# Altium PCB dashcam_cpu_v2.0.PcbDoc (part 1 of 4)
Units mil, origin at the board's own origin, x right, y up, seen from the top; angles counter-clockwise.
Board outline 2952.76 x 1476.38 mil, 4 copper layers (Top Layer, Internal L1, Internal L2, Bottom Layer), stack 60.718 mil thick; 574 components, 452 nets, 2535 pads, 0 vias.
Unrouted connection lines stored in the file: 1684.
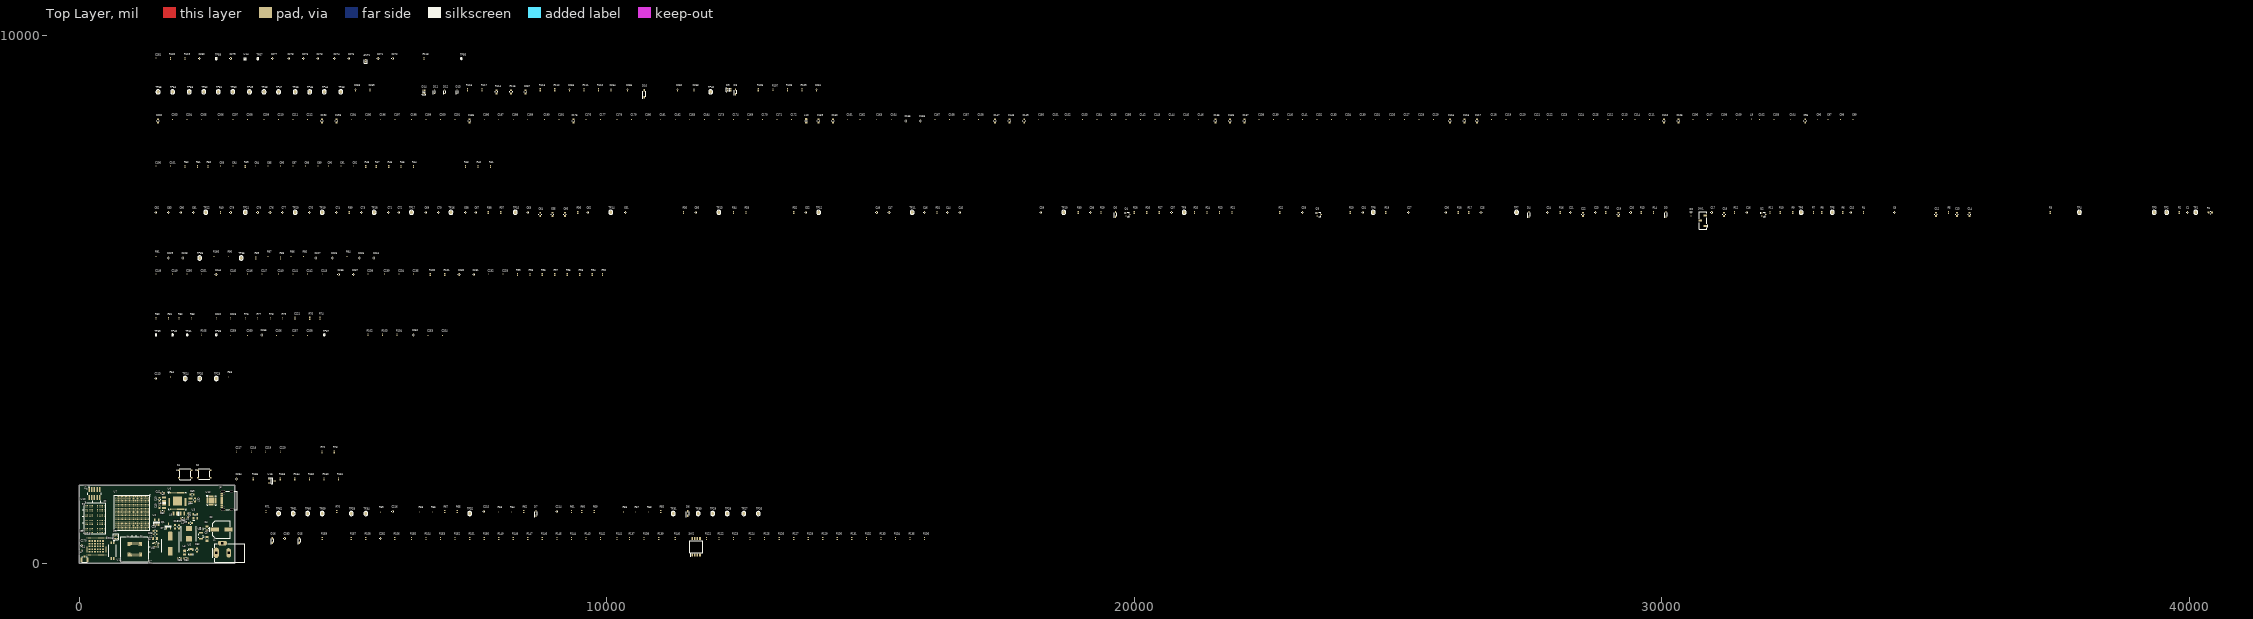
[diagram p0: Top Layer view]
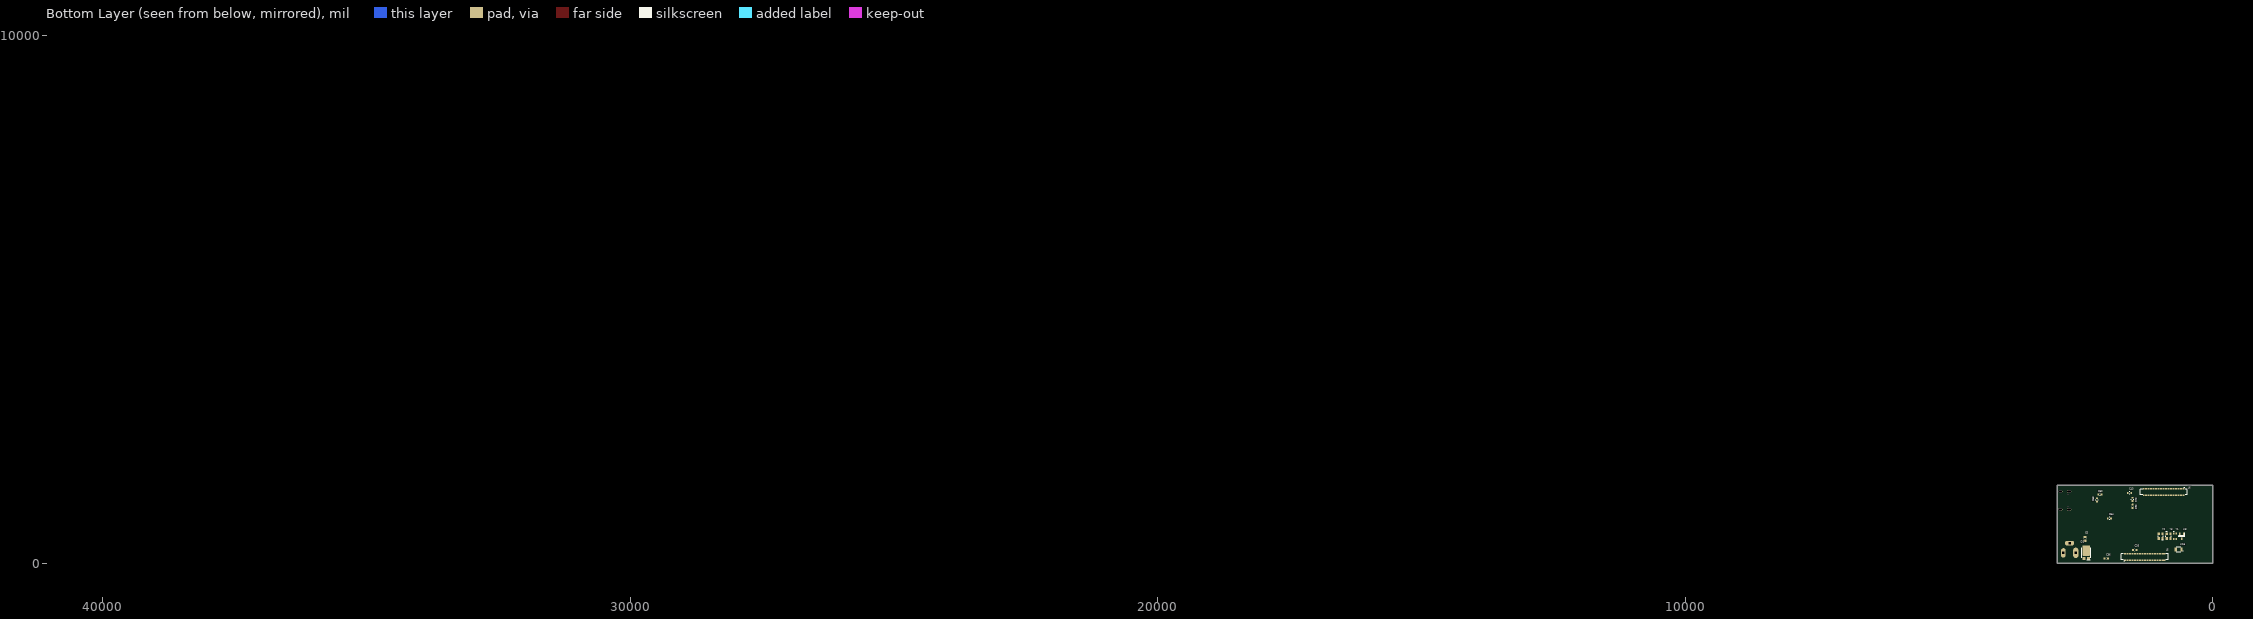
[diagram p1: Bottom Layer view, seen from below]

## Layer stack, top to bottom
Top Solder: solder mask 1.378, SM-001, Dk 4
Top Layer: signal copper 1.378
Dielectric 2: prepreg 2.8, PP-006, Dk 4.1
Internal L1: signal copper 1.378
Dielectric 1: core 49.6063, FR4, Dk 4.6
Internal L2: signal copper 1.378
Dielectric 3: prepreg 2.8, PP-006, Dk 4.1
Bottom Layer: signal copper 1.378
Bottom Solder: solder mask 1.378, SM-001, Dk 4

## Board outline
0,0 2952.76,0 2952.76,1476.38 0,1476.38

## Design rules (kind name [scope] priority, off if disabled: settings)
AcuteAngle [All] p1: minimum=3.00000000000000E+0001 checktracksonly=TRUE
BoardOutlineClearance [All] p1: gap=10 ignorepadtopadclearanceinfootprint=FALSE
Clearance Clearance_Z90 [InNetClass('Z90') vs InNetClass('Z90')] p1: gap=9.84 ignorepadtopadclearanceinfootprint=FALSE except(3.94: Arc-Arc Arc-Track Arc-SMDPad Arc-THPad Track-Track Track-SMDPad Track-THPad SMDPad-SMDPad)
Clearance Clearance_Q4 [InComponent('Q4')] p2: gap=3.94 ignorepadtopadclearanceinfootprint=FALSE
Clearance Clearance_U7 [InComponent('U7')] p3: gap=3.94 ignorepadtopadclearanceinfootprint=FALSE
Clearance Clearance_U4 [InComponent('U4')] p4: gap=3.94 ignorepadtopadclearanceinfootprint=FALSE
Clearance Clearance_U2 [InComponent('U2')] p5: gap=3.94 ignorepadtopadclearanceinfootprint=FALSE
Clearance Clearance_J1 [InComponent('J1')] p6: gap=3.94 ignorepadtopadclearanceinfootprint=FALSE
Clearance [All] p7: gap=4 ignorepadtopadclearanceinfootprint=FALSE
ComponentClearance [All] p1: gap=10 collisioncheckmode=3 verticalgap=10 showdistances=FALSE checkcomponentboundary=TRUE
DiffPairsRouting [InDifferentialPairClass('Z90')] p1: maxlimit=5 minlimit=5 mostfreqgap=5 toplayer_minwidth=5 toplayer_maxwidth=5 toplayer_prefwidth=5 midlayer1_minwidth=3.15 midlayer1_maxwidth=3.15 midlayer1_prefwidth=3.15 midlayer2_minwidth=3.15 midlayer2_maxwidth=3.15 midlayer2_prefwidth=3.15 bottomlayer_minwidth=5 bottomlayer_maxwidth=5 bottomlayer_prefwidth=5 impedanceprofiledriven=TRUE impedanceprofileid={69C824A2-F5A8-4112-8FE3-B2C60D175B77} impedanceprofilevalue=90.000000 maxuncoupledlength=500
FabricationTestpoint [All] p1: side=3 testpointundercomponent=TRUE minsize=39.37 maxsize=118.11 preferedsize=39.37 minholesize=0 maxholesize=39.37 preferedholesize=11.81 testpointgrid=1 allowsidetop=TRUE allowsidebottom=TRUE usegrid=TRUE gridtolerance=0.01
HoleSize [All] p1: absolutevalues=TRUE maxlimit=200 minlimit=6 maxpercent=80.000 minpercent=20.000
MatchedLengths MatchedLengths_USB [InDifferentialPairClass('Z90')] p1: tolerance=3.94 checknetsindiffpair=TRUE checkdiffpairvsdiffpair=FALSE checkxsignals=FALSE checkothers=FALSE
MinimumAnnularRing [All] p1: minimumring=3.94
MinimumSolderMaskSliver [All] p1: minsoldermaskwidth=1.97
NetAntennae [InNet('AC1')and InNet('AC2') and InNet('AC1_A')and InNet('NetBR1_1')and InNet('NetBR1_2')] p1: netantennaetolerance=3149.61
PolygonConnect PolygonConnect_11 [All vs IsNamedPolygon('GND_BOT_PLANE')] p1: connectstyle=Direct reliefconductorwidth=10 reliefentries=4 polygonreliefangle="90 Angle" airgapwidth=10
PolygonConnect PolygonConnect_10 [All vs IsNamedPolygon('SW')] p2: connectstyle=Direct reliefconductorwidth=10 reliefentries=4 polygonreliefangle="90 Angle" airgapwidth=10
PolygonConnect PolygonConnect_9 [All vs IsNamedPolygon('3V3_L01_P019') Or IsNamedPolygon('3V3_L01_P020') Or IsNamedPolygon('5V_L01_P000') Or IsNamedPolygon('5V_L01_P018') Or IsNamedPolygon('NETC35_2_L01_P013') Or IsNamedPolygon('NETFB1_1_L01_P001') Or IsNamedPolygon('NETFB2_1_L01_P002') Or IsNamedPolygon('NETQ6_1_L01_P014') Or IsNamedPolygon('VBAT_L01_P021') Or IsNamedPolygon('VBAT_L01_P025') Or IsNamedPolygon('VBUS_A_L01_P024') Or IsNamedPolygon('VBUS_L01_P022') Or IsNamedPolygon('VBUS_L01_P023') Or IsNamedPolygon('VD+_L01_P003') Or IsNamedPolygon('VD-_L01_P004') Or IsNamedPolygon('VSYS_L01_P015') Or IsNamedPolygon('VSYS_L01_P016') Or IsNamedPolygon('VSYS_L01_P017')] p3: connectstyle=Direct reliefconductorwidth=10 reliefentries=4 polygonreliefangle="90 Angle" airgapwidth=10
PolygonConnect PolygonConnect_8 [All vs IsNamedPolygon('5V_L01_P000') Or IsNamedPolygon('NETFB1_1_L01_P001') Or IsNamedPolygon('NETFB2_1_L01_P002') Or IsNamedPolygon('VD+_L01_P003') Or IsNamedPolygon('VD-_L01_P004')] p4: connectstyle=Direct reliefconductorwidth=10 reliefentries=4 polygonreliefangle="90 Angle" airgapwidth=10
PolygonConnect PolygonConnect_7 [All vs IsNamedPolygon('NETFB1_1_L01_P001') Or IsNamedPolygon('NETFB2_1_L01_P002')] p5: connectstyle=Direct reliefconductorwidth=10 reliefentries=4 polygonreliefangle="90 Angle" airgapwidth=10
PolygonConnect PolygonConnect_6 [All vs IsNamedPolygon('5V_L01_P000')] p6: connectstyle=Direct reliefconductorwidth=10 reliefentries=4 polygonreliefangle="90 Angle" airgapwidth=10
PolygonConnect PolygonConnect_5 [All vs IsNamedPolygon('5V_L01_P000')] p7: connectstyle=Relief reliefconductorwidth=10 reliefentries=4 polygonreliefangle="90 Angle" airgapwidth=10
PolygonConnect PolygonConnect_4 [All vs IsNamedPolygon('AC1_A_L01_P002') Or IsNamedPolygon('AC1_L01_P000') Or IsNamedPolygon('AC2_L01_P001') Or IsNamedPolygon('GND_L01_P006') Or IsNamedPolygon('GND_AMP_TOP') Or IsNamedPolygon('NETBR1_1_L01_P004') Or IsNamedPolygon('NETBR1_2_L01_P010') Or IsNamedPolygon('VIN_L01_P005') Or IsNamedPolygon('GND_L02_P007') Or IsNamedPolygon('GND_MIC_L1')] p8: connectstyle=Direct reliefconductorwidth=10 reliefentries=4 polygonreliefangle="90 Angle" airgapwidth=10
PolygonConnect PolygonConnect_3 [All vs IsNamedPolygon('3V3_L01_P010') Or IsNamedPolygon('5V_L01_P013') Or IsNamedPolygon('GND_L01_P011') Or IsNamedPolygon('NETD1_2_L01_P004') Or IsNamedPolygon('VIN_L01_P007') Or IsNamedPolygon('VUSB_FIL_L01_P003') Or IsNamedPolygon('VUSB_L01_P000') Or IsNamedPolygon('GND_L02_P012') Or IsNamedPolygon('VUSB_L02_P001')] p9: thpad.connectstyle=Relief thpad.reliefconductorwidth=10 thpad.reliefentries=4 thpad.polygonreliefangle="90 Angle" thpad.airgapwidth=10 smdpad.connectstyle=Direct smdpad.reliefconductorwidth=10 smdpad.reliefentries=4 smdpad.polygonreliefangle="90 Angle" smdpad.airgapwidth=10 via.connectstyle=Relief via.reliefconductorwidth=10 via.reliefentries=4 via.polygonreliefangle="90 Angle" via.airgapwidth=10
PolygonConnect PolygonConnect_2 [All vs IsNamedPolygon('3V3_L01_P010') Or IsNamedPolygon('5V_L01_P009') Or IsNamedPolygon('GND_L01_P011') Or IsNamedPolygon('NETD1_2_L01_P004') Or IsNamedPolygon('VIN_L01_P007') Or IsNamedPolygon('VUSB_FIL_L01_P003') Or IsNamedPolygon('VUSB_L01_P000') Or IsNamedPolygon('GND_L02_P012') Or IsNamedPolygon('VUSB_L02_P001')] p10: thpad.connectstyle=Relief thpad.reliefconductorwidth=10 thpad.reliefentries=4 thpad.polygonreliefangle="90 Angle" thpad.airgapwidth=10 smdpad.connectstyle=Direct smdpad.reliefconductorwidth=10 smdpad.reliefentries=4 smdpad.polygonreliefangle="90 Angle" smdpad.airgapwidth=10 via.connectstyle=Relief via.reliefconductorwidth=10 via.reliefentries=4 via.polygonreliefangle="90 Angle" via.airgapwidth=10
PolygonConnect PolygonConnect_1 [All vs IsNamedPolygon('3V3_L01_P010') Or IsNamedPolygon('5V_L01_P009') Or IsNamedPolygon('GND_L01_P011') Or IsNamedPolygon('NETD1_2_L01_P004') Or IsNamedPolygon('VIN_L01_P007') Or IsNamedPolygon('VUSB_FIL_L01_P003') Or IsNamedPolygon('VUSB_L01_P000') Or IsNamedPolygon('GND_L02_P012') Or IsNamedPolygon('VUSB_L02_P001')] p11: thpad.connectstyle=Relief thpad.reliefconductorwidth=10 thpad.reliefentries=4 thpad.polygonreliefangle="90 Angle" thpad.airgapwidth=10 smdpad.connectstyle=Direct smdpad.reliefconductorwidth=10 smdpad.reliefentries=4 smdpad.polygonreliefangle="90 Angle" smdpad.airgapwidth=10 via.connectstyle=Relief via.reliefconductorwidth=10 via.reliefentries=4 via.polygonreliefangle="90 Angle" via.airgapwidth=10
PolygonConnect [All] p12: connectstyle=Relief reliefconductorwidth=10 reliefentries=4 polygonreliefangle="90 Angle" airgapwidth=5.91
RoutingVias [All] p1: holewidth=6 width=18 viastyle="Through Hole" minholewidth=6 minwidth=18 maxholewidth=12 maxwidth=24
SMDEntry [All] p1: side=TRUE corner=TRUE anyangle=TRUE
SMDNeckDown [All] p1: percent=1000.000
SMDToCorner [All] p1: distance=59055
SMDToPlane [All] p1: distance=59055
SilkToSilkClearance [All] p1: silktosilkclearance=1.97
SilkToSolderMaskClearance [IsPad] p1: minsilkscreentomaskgap=1.97 clearancetoexposedcopper=TRUE
SolderMaskExpansion [All] p1: expansion=3.94 istentingtop=FALSE
UnConnectedPin [All] p1 off:
Width [All] p1: maxlimit=50 minlimit=4 preferedwidth=4
22 further rules are at their usual default settings.

## Classes and differential pairs
differential pair class Z90: USB_DBG
differential pair class Z85: DRAM_A_DQS0 DRAM_A_DQS1 DRAM_B_DQS0 DRAM_B_DQS1 DRAM_CK_A DRAM_CK_B
differential pair class DIFF100: BB_CON_CAM1_CLK BB_CON_CAM1_D0 BB_CON_CAM1_D1 BB_CON_CAM1_D2 BB_CON_CAM1_D3 BB_CON_CAM2_CLK BB_CON_CAM2_D0 BB_CON_CAM2_D1 BB_CON_CAM2_D2 BB_CON_CAM2_D3 BB_CON_HDMI0_CLK BB_CON_HDMI0_TX0 BB_CON_HDMI0_TX1 BB_CON_HDMI0_TX2 BB_CON_HDMI0_TX3 DSI1_CLK DSI1_D0 DSI1_D1 DSI1_D2 DSI1_D3
differential pair class DIFF90: USB1_D USB1_D1 USB2_C_TX USB2_D2 USB2_RX USB2_TX
differential pair class DIFF85: PCIE1_CLK PCIE1_RX PCIE1_TX PCIE1C_TX_C PCIE2_CLK PCIE2_RX
net class Z90: USB_DBG_N USB_DBG_P
net class Z85: DRAM_A_DQS0_N DRAM_A_DQS0_P DRAM_A_DQS1_N DRAM_A_DQS1_P DRAM_B_DQS0_N DRAM_B_DQS0_P DRAM_B_DQS1_N DRAM_B_DQS1_P DRAM_CK_A_N DRAM_CK_A_P DRAM_CK_B_N DRAM_CK_B_P
net class Z50: DRAM_A_DATA0 DRAM_A_DATA1 DRAM_A_DATA2 DRAM_A_DATA3 DRAM_A_DATA4 DRAM_A_DATA5 DRAM_A_DATA6 DRAM_A_DATA7 DRAM_A_DATA8 DRAM_A_DATA9 DRAM_A_DATA10 DRAM_A_DATA11 DRAM_A_DATA12 DRAM_A_DATA13 DRAM_A_DATA14 DRAM_A_DATA15 DRAM_A_DMI0 DRAM_A_DMI1 DRAM_B_DATA0 DRAM_B_DATA1 DRAM_B_DATA2 DRAM_B_DATA3 DRAM_B_DATA4 DRAM_B_DATA5 DRAM_B_DATA6 DRAM_B_DATA7 DRAM_B_DATA8 DRAM_B_DATA9 DRAM_B_DATA10 DRAM_B_DATA11 DRAM_B_DATA12 DRAM_B_DATA13 DRAM_B_DATA14 DRAM_B_DATA15 DRAM_B_DMI0 DRAM_B_DMI1 DRAM_CA0_A DRAM_CA0_B DRAM_CA1_A DRAM_CA1_B DRAM_CA2_A DRAM_CA2_B DRAM_CA3_A DRAM_CA3_B DRAM_CA4_A DRAM_CA4_B DRAM_CA5_A DRAM_CA5_B DRAM_CKE0_A DRAM_CKE0_B DRAM_CKE1_A DRAM_CKE1_B DRAM_nCS0_A DRAM_nCS0_B DRAM_nCS1_A DRAM_nCS1_B NetANT1_1 NetC270_2 NetFL1_2 RF_5GHZ_WF
net class DRAM_DATA_CTRL_B: DRAM_B_DATA0 DRAM_B_DATA1 DRAM_B_DATA2 DRAM_B_DATA3 DRAM_B_DATA4 DRAM_B_DATA5 DRAM_B_DATA6 DRAM_B_DATA7 DRAM_B_DATA8 DRAM_B_DATA9 DRAM_B_DATA10 DRAM_B_DATA11 DRAM_B_DATA12 DRAM_B_DATA13 DRAM_B_DATA14 DRAM_B_DATA15 DRAM_B_DMI0 DRAM_B_DMI1 DRAM_B_DQS0_N DRAM_B_DQS0_P DRAM_B_DQS1_N DRAM_B_DQS1_P
net class DRAM_DATA_CTRL_A: DRAM_A_DATA0 DRAM_A_DATA1 DRAM_A_DATA2 DRAM_A_DATA3 DRAM_A_DATA4 DRAM_A_DATA5 DRAM_A_DATA6 DRAM_A_DATA7 DRAM_A_DATA8 DRAM_A_DATA9 DRAM_A_DATA10 DRAM_A_DATA11 DRAM_A_DATA12 DRAM_A_DATA13 DRAM_A_DATA14 DRAM_A_DATA15 DRAM_A_DMI0 DRAM_A_DMI1 DRAM_A_DQS0_N DRAM_A_DQS0_P DRAM_A_DQS1_N DRAM_A_DQS1_P
component class U_WIFI: q
component class U_USBDBG: q
component class U_PWR: q
component class U_PMIC: q
component class U_PHY: q
component class U_LPDDR4: q
component class U_IO: q
component class U_eMMC: q
component class U_DRAM: q
component class U_CONNB: q
component class U_CONNA: q
component class U_CFG: q
component class U_BOOT: q
differential pair USB_DBG: +USB_DBG_P -USB_DBG_N
differential pair USB2_TX: +USB2_TX_P -USB2_TX_N
differential pair USB2_RX: +USB2_RX_P -USB2_RX_N
differential pair USB2_D2: +USB2_D2_P -USB2_D2_N
differential pair USB2_C_TX: +USB2_C_TX_P -USB2_C_TX_N
differential pair USB1_D: +USB1_D_P -USB1_D_N
differential pair USB1_D1: +USB1_D1_P -USB1_D1_N
differential pair PCIE2_RX: +PCIE2_RX_P -PCIE2_RX_N
differential pair PCIE2_CLK: +PCIE2_CLK_P -PCIE2_CLK_N
differential pair PCIE1C_TX_C: +PCIE1C_TX_C_P -PCIE1C_TX_C_N
differential pair PCIE1_TX: +PCIE1_TX_P -PCIE1_TX_N
differential pair PCIE1_RX: +PCIE1_RX_P -PCIE1_RX_N
differential pair PCIE1_CLK: +PCIE1_CLK_P -PCIE1_CLK_N
differential pair DSI1_D3: +DSI1_D3_P -DSI1_D3_N
differential pair DSI1_D2: +DSI1_D2_P -DSI1_D2_N
differential pair DSI1_D1: +DSI1_D1_P -DSI1_D1_N
differential pair DSI1_D0: +DSI1_D0_P -DSI1_D0_N
differential pair DSI1_CLK: +DSI1_CLK_P -DSI1_CLK_N
differential pair DRAM_CK_B: +DRAM_CK_B_P -DRAM_CK_B_N
differential pair DRAM_CK_A: +DRAM_CK_A_P -DRAM_CK_A_N
differential pair DRAM_B_DQS1: +DRAM_B_DQS1_P -DRAM_B_DQS1_N
differential pair DRAM_B_DQS0: +DRAM_B_DQS0_P -DRAM_B_DQS0_N
differential pair DRAM_A_DQS1: +DRAM_A_DQS1_P -DRAM_A_DQS1_N
differential pair DRAM_A_DQS0: +DRAM_A_DQS0_P -DRAM_A_DQS0_N
differential pair BB_CON_HDMI0_TX3: +BB_CON_HDMI0_TX3_P -BB_CON_HDMI0_TX3_N
differential pair BB_CON_HDMI0_TX2: +BB_CON_HDMI0_TX2_P -BB_CON_HDMI0_TX2_N
differential pair BB_CON_HDMI0_TX1: +BB_CON_HDMI0_TX1_P -BB_CON_HDMI0_TX1_N
differential pair BB_CON_HDMI0_TX0: +BB_CON_HDMI0_TX0_P -BB_CON_HDMI0_TX0_N
differential pair BB_CON_HDMI0_CLK: +BB_CON_HDMI0_CLK_P -BB_CON_HDMI0_CLK_N
differential pair BB_CON_CAM2_D3: +BB_CON_CAM2_D3_P -BB_CON_CAM2_D3_N
differential pair BB_CON_CAM2_D2: +BB_CON_CAM2_D2_P -BB_CON_CAM2_D2_N
differential pair BB_CON_CAM2_D1: +BB_CON_CAM2_D1_P -BB_CON_CAM2_D1_N
differential pair BB_CON_CAM2_D0: +BB_CON_CAM2_D0_P -BB_CON_CAM2_D0_N
differential pair BB_CON_CAM2_CLK: +BB_CON_CAM2_CLK_P -BB_CON_CAM2_CLK_N
differential pair BB_CON_CAM1_D3: +BB_CON_CAM1_D3_P -BB_CON_CAM1_D3_N
differential pair BB_CON_CAM1_D2: +BB_CON_CAM1_D2_P -BB_CON_CAM1_D2_N
differential pair BB_CON_CAM1_D1: +BB_CON_CAM1_D1_P -BB_CON_CAM1_D1_N
differential pair BB_CON_CAM1_D0: +BB_CON_CAM1_D0_P -BB_CON_CAM1_D0_N
differential pair BB_CON_CAM1_CLK: +BB_CON_CAM1_CLK_P -BB_CON_CAM1_CLK_N

## Components (designator, comment, footprint, x,y, rotation, side; value= is the part's Value field where it differs from the comment)
ANT1 "A9001978" ANTENNA_CHIP_ANTC1006X50N 5433.08,9525.6 r90 top
C1 "GRM155R61H224KE01W" CAP_0402_CAPC1005X05N 39960.65,6651.58 r90 top
C2 "UUD1H101MNL1GS" CAP_POLA_UD(8X10) 2700,640 r0 top
C3 "C2012X5R1V226M125DC" CAP_0805_CAPC2012X12N 2420,462.91 r90 top
C4 "C2012X5R1V226M125DC" CAP_0805_CAPC2012X12N 2420,660 r270 top
C5 "C2012X5R1V226M125DC" CAP_0805_CAPC2012X12N 2420,462.91 r90 bottom
C6 "GRM155R71H104KE14D" CAP_0402_CAPC1005X05N 2350,650 r270 top
C7 "EEV227M025A9MAA" CAP_POL_220uF_CAPAE830X1050N 1730,370 r270 top
C8 "GRM155R71H104KE14D" CAP_0402_CAPC1005X05N 34409.47,6651.58 r90 top
C9 "C1608X5R1A226M080AC" CAP_0603_CAPC1608X08N 2110,760 r180 top
C10 "C1608X5R1A226M080AC" CAP_0603_CAPC1608X08N 1820,691.5 r270 top
C11 "C1608X5R1A226M080AC" CAP_0603_CAPC1608X08N 1890,690 r270 top
C12 "C1608X5R1A226M080AC" CAP_0603_CAPC1608X08N 35196.87,6612.21 r90 top
C13 "GCM188R71E105KA64D" CAP_0603_CAPC1608X08N 35590.57,6612.21 r90 top
C14 "GRM1885C1H222JA01D" CAP_0603_CAPC1608X08N 35826.79,6612.21 r90 top
C15 "GCM1555C1H301JA16D" CAP_0402_CAPC1005X05N 33582.7,6651.58 r90 top
C16 "GRM155R71H104KE14D" CAP_0402_CAPC1005X05N 31614.19,6651.58 r90 top
C17 "GRM155R71H104KE14D" CAP_0402_CAPC1005X05N 30944.9,6651.58 r90 top
C18 "GCM188R71E105KA64D" CAP_0603_CAPC1608X08N 31181.12,6612.21 r90 top
C19 "GCM188R71E105KA64D" CAP_0603_CAPC1608X08N 29173.25,6612.21 r90 top
C20 "GRM155R71H104KE14D" CAP_0402_CAPC1005X05N 29409.47,6651.58 r90 top
C21 "GRM1555C1H102JA01D" CAP_0402_CAPC1005X05N 28267.73,6651.58 r90 top
C22 "GCM188R71E105KA64D" CAP_0603_CAPC1608X08N 28503.95,6612.21 r90 top
C23 "GRM155R71H104KE14D" CAP_0402_CAPC1005X05N 28740.17,6651.58 r90 top
C24 "GRM155R71H104KE14D" CAP_0402_CAPC1005X05N 27834.66,6651.58 r90 top
C25 "GRM155R61E105KA12D" CAP_0402_CAPC1005X05N 26574.82,6651.58 r90 top
C26 "CL10A226MO7JZNC" CAP_0603_CAPC1608X08N 1480,250 r180 bottom
C27 "GRM155R71H104KE14D" CAP_0402_CAPC1005X05N 25196.87,6651.58 r90 top
C28 "C1608X5R1A226M080AC" CAP_0603_CAPC1608X08N 1440,550 r180 top
C29 "C1608X5R1A226M080AC" CAP_0603_CAPC1608X08N 1440,610 r180 top
C30 "GRM155R71H104KE14D" CAP_0402_CAPC1005X05N 25905.53,6651.58 r90 top
C31 "GRM1555C1H102JA01D" CAP_0402_CAPC1005X05N 24330.72,6651.58 r90 top
C32 "CL10A226MO7JZNC" CAP_0603_CAPC1608X08N 2230,250 r270 top
C33 "GRM155R71H104KE14D" CAP_0402_CAPC1005X05N 23188.99,6651.58 r90 top
C34 "C1608X5R1A226M080AC" CAP_0603_CAPC1608X08N 2021.5,90 r180 top
C35 "C1608X5R1A226M080AC" CAP_0603_CAPC1608X08N 1900,90 r0 top
C36 "C1608X5R1A226M080AC" CAP_0603_CAPC1608X08N 2020,90 r180 bottom
C37 "GRM1555C1H102JA01D" CAP_0402_CAPC1005X05N 20708.67,6651.58 r90 top
C38 "GRM155R61E105KA12D" CAP_0402_CAPC1005X05N 19173.24,6651.58 r90 top
C39 "CL05A475KP5NRNC" CAP_0402_CAPC1005X05N 18228.36,6651.58 r90 top
C40 "C1608X5R1A226M080AC" CAP_0603_CAPC1608X08N 1520,1210.16 r90 top
C41 "C1608X5R1A226M080AC" CAP_0603_CAPC1608X08N 1520,1210.16 r90 bottom
C42 "C1608X5R1A226M080AC" CAP_0603_CAPC1608X08N 1578.5,1336.14 r0 top
C43 "C1608X5R1A226M080AC" CAP_0603_CAPC1608X08N 1580,1336.14 r0 bottom
C44 "CL05A475KP5NRNC" CAP_0402_CAPC1005X05N 16456.7,6651.58 r90 top
C45 "GRM155R61E105KA12D" CAP_0402_CAPC1005X05N 16692.92,6651.58 r90 top
C46 "GRM155R61E105KA12D" CAP_0402_CAPC1005X05N 16023.63,6651.58 r90 top
C47 "CL05A475KP5NRNC" CAP_0402_CAPC1005X05N 15354.34,6651.58 r90 top
C48 "GRM155R61E105KA12D" CAP_0402_CAPC1005X05N 15118.12,6651.58 r90 top
C49 "C1608X5R1A226M080AC" CAP_0603_CAPC1608X08N 1520,1080 r270 top
C50 "C1608X5R1A226M080AC" CAP_0603_CAPC1608X08N 1520,1080 r270 bottom
C51 "C1608X5R1A226M080AC" CAP_0603_CAPC1608X08N 1580,980 r0 top
C52 "CL05A475KP5NRNC" CAP_0402_CAPC1005X05N 13779.54,6651.58 r90 top
C53 "C1608X5R1A226M080AC" CAP_0603_CAPC1608X08N 1960,850 r0 top
C54 "C1608X5R1A226M080AC" CAP_0603_CAPC1608X08N 1960,850 r0 bottom
C55 "C1608X5R1A226M080AC" CAP_0603_CAPC1608X08N 2060,910 r90 top
C56 "CL05A475KP5NRNC" CAP_0402_CAPC1005X05N 11692.92,6651.58 r90 top
C57 "C1608X5R1A226M080AC" CAP_0603_CAPC1608X08N 2200,1200 r90 top
C58 "C1608X5R1A226M080AC" CAP_0603_CAPC1608X08N 2200,1200 r90 bottom
C59 "C1608X5R1A226M080AC" CAP_0603_CAPC1608X08N 2141.5,1300 r180 top
C60 "C1608X5R1A226M080AC" CAP_0603_CAPC1608X08N 2140,1300 r0 bottom
C61 "CL05A475KP5NRNC" CAP_0402_CAPC1005X05N 10354.34,6651.58 r90 top
C62 "CL05A475KP5NRNC" CAP_0402_CAPC1005X05N 9645.68,6651.58 r90 top
C63 "CL05A475KP5NRNC" CAP_0402_CAPC1005X05N 8503.94,6651.58 r90 top
C64 "C1608X5R1A226M080AC" CAP_0603_CAPC1608X08N 8740.16,6612.21 r90 top
C65 "C1608X5R1A226M080AC" CAP_0603_CAPC1608X08N 8976.38,6612.21 r90 top
C66 "C1608X5R1A226M080AC" CAP_0603_CAPC1608X08N 9212.61,6612.21 r90 top
C67 "CL05A475KP5NRNC" CAP_0402_CAPC1005X05N 7519.69,6651.58 r90 top
C68 "GRT155R61C474KE01D" CAP_0402_CAPC1005X05N 7322.84,6651.58 r90 top
C69 "CL05A475KP5NRNC" CAP_0402_CAPC1005X05N 6574.81,6651.58 r90 top
C70 "CL05A475KP5NRNC" CAP_0402_CAPC1005X05N 6811.03,6651.58 r90 top
C71 "GRT155R61C474KE01D" CAP_0402_CAPC1005X05N 5866.15,6651.58 r90 top
C72 "CL05A475KP5NRNC" CAP_0402_CAPC1005X05N 6063,6651.58 r90 top
C73 "CL05A475KP5NRNC" CAP_0402_CAPC1005X05N 5354.34,6651.58 r90 top
C74 "GRT155R61C474KE01D" CAP_0402_CAPC1005X05N 4881.89,6651.58 r90 top
C75 "CL05A475KP5NRNC" CAP_0402_CAPC1005X05N 4370.08,6651.58 r90 top
C76 "GRT155R61C474KE01D" CAP_0402_CAPC1005X05N 3622.05,6651.58 r90 top
C77 "CL05A475KP5NRNC" CAP_0402_CAPC1005X05N 3858.27,6651.58 r90 top
C78 "CL05A475KP5NRNC" CAP_0402_CAPC1005X05N 3385.83,6651.58 r90 top
C79 "GRT155R61C474KE01D" CAP_0402_CAPC1005X05N 2874.02,6651.58 r90 top
C80 "GRT155R61C474KE01D" CAP_0402_CAPC1005X05N 1929.14,6651.58 r90 top
C81 "GRT155R61C474KE01D" CAP_0402_CAPC1005X05N 2165.36,6651.58 r90 top
C82 "GRT155R61C474KE01D" CAP_0402_CAPC1005X05N 1456.7,6651.58 r90 top
C83 "GRM155R61E105KA12D" CAP_0402_CAPC1005X05N 1692.92,6651.58 r90 top
C84 "0201X104K100CT" CAP_0201_CAPC0603X03N 3346.46,7517.72 r90 top
C85 "0201X104K100CT" CAP_0201_CAPC0603X03N 3582.68,7517.72 r90 top
C86 "0201X104K100CT" CAP_0201_CAPC0603X03N 3818.9,7517.72 r90 top
C87 "0201X104K100CT" CAP_0201_CAPC0603X03N 4055.12,7517.72 r90 top
C88 "0201X104K100CT" CAP_0201_CAPC0603X03N 4291.34,7517.72 r90 top
C89 "0201X104K100CT" CAP_0201_CAPC0603X03N 4527.56,7517.72 r90 top
C90 "0201X104K100CT" CAP_0201_CAPC0603X03N 4724.41,7517.72 r90 top
C91 "0201X104K100CT" CAP_0201_CAPC0603X03N 4960.63,7517.72 r90 top
C92 "0201X104K100CT" CAP_0201_CAPC0603X03N 5196.86,7517.72 r90 top
C93 "02016D105MAT2A" CAP_0201_CAPC0603X03N 2677.17,7517.72 r90 top
C94 "0201X104K100CT" CAP_0201_CAPC0603X03N 2913.39,7517.72 r90 top
C95 "C1608X5R1A226M080AC" CAP_0603_CAPC1608X08N 32716.56,8383.87 r90 top
C96 "02016D105MAT2A" CAP_0201_CAPC0603X03N 32952.78,8423.24 r90 top
C97 "02016D105MAT2A" CAP_0201_CAPC0603X03N 33149.63,8423.24 r90 top
C98 "02016D105MAT2A" CAP_0201_CAPC0603X03N 33385.85,8423.24 r90 top
C99 "02016D105MAT2A" CAP_0201_CAPC0603X03N 33622.07,8423.24 r90 top
C100 "02016D105MAT2A" CAP_0201_CAPC0603X03N 1456.7,7517.72 r90 top
C101 "02016D105MAT2A" CAP_0201_CAPC0603X03N 1732.29,7517.72 r90 top
C102 "0201X104K100CT" CAP_0201_CAPC0603X03N 31850.41,8423.24 r90 top
C103 "0201X104K100CT" CAP_0201_CAPC0603X03N 32126,8423.24 r90 top
C104 "0201X104K100CT" CAP_0201_CAPC0603X03N 32440.96,8423.24 r90 top
C105 "C1608X5R1A226M080AC" CAP_0603_CAPC1608X08N 30314.98,8383.87 r90 top
C106 "02016D105MAT2A" CAP_0201_CAPC0603X03N 30590.57,8423.24 r90 top
C107 "02016D105MAT2A" CAP_0201_CAPC0603X03N 30866.16,8423.24 r90 top
C108 "02016D105MAT2A" CAP_0201_CAPC0603X03N 31141.75,8423.24 r90 top
C109 "02016D105MAT2A" CAP_0201_CAPC0603X03N 31417.34,8423.24 r90 top
C110 "C1608X5R1A226M080AC" CAP_0603_CAPC1608X08N 30039.39,8383.87 r90 top
C111 "02016D105MAT2A" CAP_0201_CAPC0603X03N 29763.8,8423.24 r90 top
C112 "0201X104K100CT" CAP_0201_CAPC0603X03N 28976.4,8423.24 r90 top
C113 "0201X104K100CT" CAP_0201_CAPC0603X03N 29251.99,8423.24 r90 top
C114 "C1005X5R1A225K050BC" CAP_0201_CAPC0603X03N 29488.21,8423.24 r90 top
C115 "C1608X5R1A226M080AC" CAP_0603_CAPC1608X08N 25984.27,8383.87 r90 top
C116 "C1608X5R1A226M080AC" CAP_0603_CAPC1608X08N 26259.86,8383.87 r90 top